# Altium PCB maisuijiqiren.PcbDoc (continued)
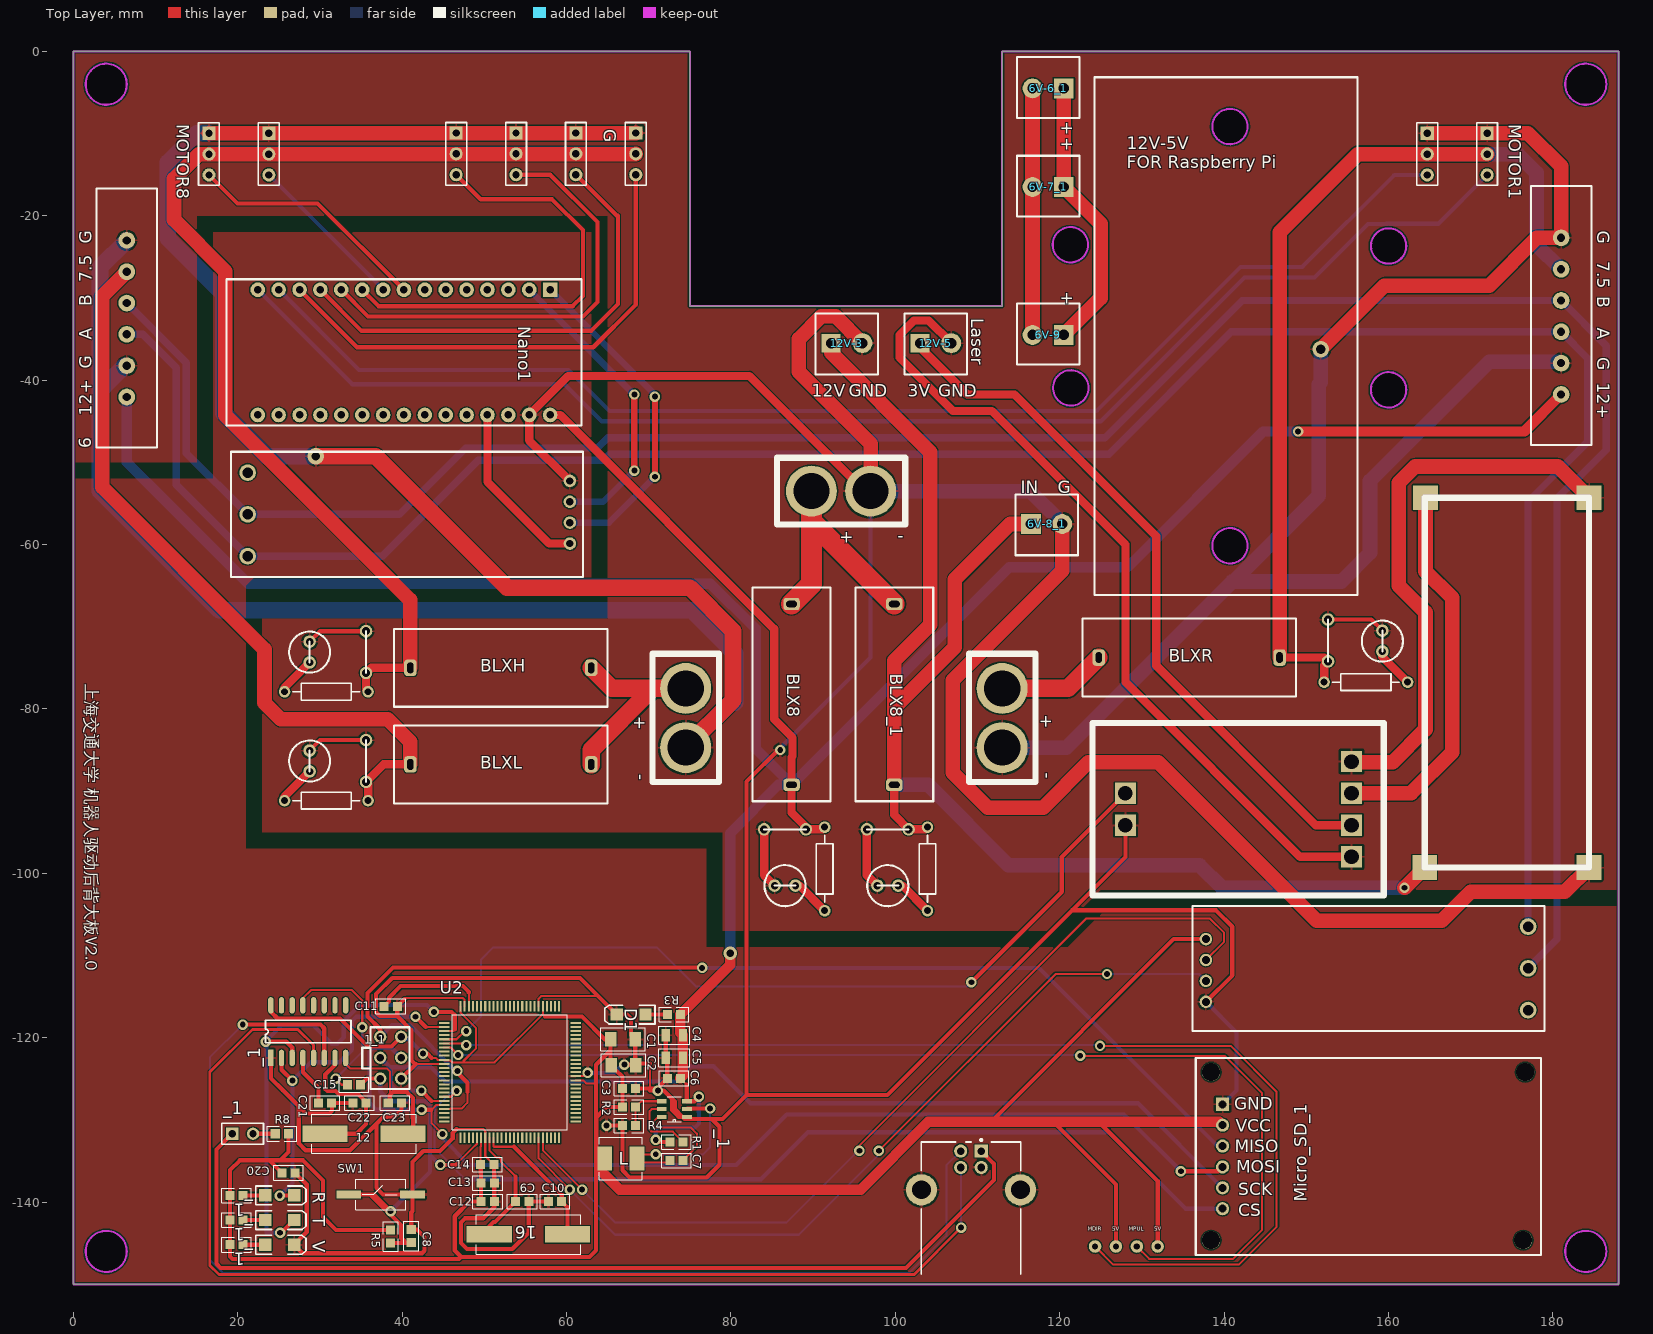
[diagram p0: Top Layer view]
## Nets (pads, with @x,y where several pads share a name; then routed paths per layer and width w, separated by ;. In a path a pad name is that pad's centre, name@x,y a point inside that pad or via, vN(x,y) a via of type N, cw(c..) or ccw(c..) an arc to the next point about the centre after c; other vN are vias at no path point) (continued)
  Bottom Layer w0.25: ?.3@107.95,-135.79 108,-135.84 v1(108,-143.1)
D-: ?.2@107.95,-133.79 _1.6@30.526,-122.457 | length 147.2
  Top Layer w0.508: v1(20.6,-118.4) 20.623,-118.377 30.052,-118.377 30.526,-118.851 _1.6@30.526,-122.457
  Bottom Layer w0.25: v1(20.6,-118.4) 16.6,-122.4 16.6,-147 18.2,-148.6 101.7,-148.6 106.2,-144.1 106.2,-135.54 ?.2@107.95,-133.79
DTR: _1.13 C15.1 | length 21.6
  Top Layer w0.254: _1.13 27.926,-115.199 28.925,-114.2 33.875,-114.2 35.15,-115.475 v1(35.15,-118.725) ; v1(31.9,-124.975) 32.65,-125.725 C15.1
  Bottom Layer w0.254: v1(31.9,-124.975) 35.15,-121.725 v1(35.15,-118.725)
GND: 1_1.4 6.2 6.6 6V-8_1.2 12V-3.2 12V-5.2 "-        +.1" ?.1@23.786,-9.96 ?.1@46.571,-9.929 ?.1@53.857,-9.929 ?.1@61.143,-9.929 ?.1@68.429,-9.929 ?.1@152.645,-69.126 ?.1@159.25,-70.48 ?.1@164.714,-9.96 ?.2@28.747,-71.814 ?.2@28.747,-85.064 ?.2@35.605,-70.544 ?.2@35.605,-83.794 ?.2@84.044,-94.645 ?.2@85.314,-101.503 ?.2@96.544,-94.645 ?.2@97.814,-101.503 ?.2@181,-37.93 ?.4@110.45,-135.79 ?.5@115.22,-138.5 ?.6@103.18,-138.5 ?.6@181,-22.69 ?.7 _1.1@24.026,-122.457 _1.1@74.635,-129.635 C1.2 C2.2 C3.2 C4.2 C5.2 C6.2 C8.1 C9.1 C10.1 C11.1 C12.2 C13.2 C14.2 C20.1 C21.1 C22.2 C23.2 D1.2 Micro_SD_1.6@139.812,-128.1 MOTOR1.1 MOTOR8.1 Nano1.29 pad.11@184.4,-54.3 pad.11@184.4,-99.3 pad.13@128,-94.133 pad.13@155.5,-86.4 pad.13@155.5,-98 R4.2 R.2 SW1.2 U2.11 U2.32 U2.62 U2.81 U2.99 | length 1470.4
  Top Layer w0.25: 40.299,-115.296 40.428,-115.167 47.392,-115.167 47.61,-115.385 U2.99 ; 41.57,-123.185 41.67,-123.185 U2.11 ; 46.631,-131.107 49.882,-131.107 50.11,-131.336 U2.32 50.11,-134.385 C14.2 ; U2.81 56.61,-115.26 56.96,-114.91 63.835,-114.91 ; U2.62 62.146,-124.685 v1(62.556,-124.275)
  Top Layer w0.254: C1.2@67.86,-119.685 C1.2 ; C2.2@68.36,-123.289 C2.2@68.41,-123.339 ; 70.16,-126.435 70.16,-126.185 70.16,-123.157 ; v1@70.86,-126.185 71.11,-126.435 v1@71.11,-126.085 ; C5.2 C5.2@72.26,-122.635 ; _1.1@74.635,-129.635 _1.1@74.701,-129.701
  Top Layer w0.5: 72.818,-128.796 73.657,-129.635 74.089,-129.635 _1.1@74.635,-129.635
  Top Layer w0.508: _1.1@24.026,-122.457 24.026,-124.939 25.472,-126.385 25.474,-126.385 27.42,-128.331 ; C20.1 28.4,-137.875 28.4,-143.645 R.2 27.9,-146.225 42.409,-146.225 42.719,-145.916 42.719,-144.239 41.815,-143.335 C8.1 41.11,-141.274 41.269,-141.115 SW1.2 SW1.2@41.246,-139.074 ; ?.2@28.747,-85.064 30.017,-83.794 ?.2@35.605,-83.794 ; ?.2@28.747,-71.814 30.017,-70.544 ?.2@35.605,-70.544 ; C22.2 C21.1 31.484,-128.009 31.484,-128.891 31.15,-129.225 28.314,-129.225 27.42,-128.331 ; 1_1.4 41.67,-123.185 ; C23.2 39.91,-128.796 39.478,-129.228 ; 40.299,-115.296 C11.1 39.41,-117.359 ; 41.57,-123.185 41.15,-122.765 41.15,-119.099 39.41,-117.359 ; 46.631,-131.107 46.148,-131.59 46.148,-132.25 44.599,-133.8 42.567,-133.8 41.246,-135.121 SW1.2@41.246,-139.074 ; C14.2 51.16,-136.518 51.21,-136.568 C13.2 C12.2 51.21,-140.625 49.86,-141.975 47.65,-141.975 47.15,-142.475 47.15,-144.975 47.9,-145.725 53.4,-145.725 55.41,-143.715 C9.1 56.587,-139.935 C10.1 ; 63.785,-114.86 63.835,-114.91 ; v1(64.86,-130.685) R4.2 66.81,-136.123 67.682,-136.995 77.065,-136.995 78.609,-135.451 78.609,-130.828 77.664,-129.883 ; v1(67.044,-123.279) 68.264,-123.279 C2.2@68.36,-123.183 ; C1.2@67.86,-119.685 67.86,-117.685 67.36,-117.185 D1.2 63.835,-114.91 ; C2.2@68.36,-123.289 C2.2@68.36,-123.183 ; C1.2 C2.2@68.36,-123.183 ; C3.2 70.16,-126.185 v1@70.86,-126.185 ; C2.2 C2.2@68.423,-123.183 ; 70.16,-126.435 71.11,-126.435 71.827,-126.435 72.818,-127.426 ; 70.16,-123.157 68.423,-123.157 C2.2@68.423,-123.183 ; v1@71.11,-126.085 C6.2 C5.2@72.26,-122.635 ; C5.2 C4.2 ; 72.818,-128.796 72.818,-127.426 ; _1.1@74.701,-129.701 _1.1@74.727,-129.727 ; v1(86,-85) 86,-84.75 81.9,-88.85 81.9,-126.975 ; pad.13@128,-94.133 128,-98 121.5,-104.5 ; ?.7@137.78,-115.63 141,-112.41 141,-106.5 139,-104.5 121.5,-104.5 ; ?.1@152.645,-69.126 157.896,-69.126 ?.1@159.25,-70.48 ; 27.42,-128.331 27.42,-131.407 27.428,-131.415 27.428,-132.864 28.257,-133.693 33.656,-133.693 36.877,-130.472 ; 36.877,-130.472 37.69,-129.66 ; 36.877,-130.472 36.877,-138.261 37.69,-139.074 SW1.2@41.246,-139.074 ; 37.69,-129.66 38.122,-129.228 39.478,-129.228 ; 37.69,-129.66 39.047,-129.66 39.478,-129.228 ; 39.41,-117.359 37.273,-117.359 36.854,-116.939 36.828,-116.939 36.828,-114.697 38.8,-112.725 61.65,-112.725 63.835,-114.91 ; C2.2@68.36,-123.183 C2.2@68.423,-123.183 ; 72.818,-127.426 73.16,-127.768 73.16,-128.706 74.089,-129.635 74.337,-129.883 77.664,-129.883 ; 77.664,-129.883 78.992,-129.883 81.9,-126.975 ; 81.9,-126.975 99.025,-126.975 121.5,-104.5
  Top Layer w1.016: ?.7@60.4,-52.259 55.46,-47.319 Nano1.29 60.2,-39.5 82.25,-39.5 96.25,-53.5 97,-53.5 ; ?.2@84.044,-94.645 84.044,-100.233 ?.2@85.314,-101.503 ; ?.2@96.544,-94.645 96.544,-100.233 ?.2@97.814,-101.503 ; 12V-5.2 104.06,-32.75 102.25,-32.75 100.5,-34.5 100.5,-37.25 107,-43.75 111.75,-43.75 128,-60 128,-76.75 149.25,-98 pad.13@155.5,-98
  Top Layer w1.778: MOTOR8.1 23.786,-9.96 68.398,-9.96 ?.1@68.429,-9.929 ; 12V-3.2 92.75,-32.25 91,-32.25 88.25,-35 88.25,-39 97,-47.75 97,-53.5 ; 6V-8_1.2 120.31,-63.19 107,-76.5 107,-87.75 111.25,-92 118,-92 123.5,-86.5 132,-86.5 151.25,-105.75 166.5,-105.75 170,-102.25 181.45,-102.25 pad.11@184.4,-99.3 ; v2(151.75,-36.25) 159.5,-28.5 172.25,-28.5 178.06,-22.69 181,-22.69 181,-14 176.96,-9.96 MOTOR1.1 ?.1@164.714,-9.96 ; pad.13@155.5,-86.4 155.6,-86.5 160.5,-86.5 164.5,-82.5 164.5,-68.25 161.25,-65 161.25,-52.5 163.25,-50.5 180.6,-50.5 pad.11@184.4,-54.3
  Top Layer w2.032: v3(29.5,-49.25) 36.75,-49.25 52.75,-65.25 75,-65.25 80.25,-70.5 80.25,-78.95 74.5,-84.7
  Bottom Layer w0.508: v1(62.556,-124.275) 65.833,-124.275 66.829,-123.279 v1(67.044,-123.279) ; v1(86,-85) 86,-84.75 97,-73.75 97,-53.5 ; ?.7@137.78,-115.63 141.5,-119.35 141.5,-126.412 Micro_SD_1.6@139.812,-128.1
  Bottom Layer w1.778: MOTOR8.1 23.786,-9.96 68.398,-9.96 ?.1@68.429,-9.929 ; 97,-53.5 116.386,-53.5 120.31,-57.424 6V-8_1.2 ; 113,-84.7 120.8,-84.7 141,-64.5 141.083,-64.5 ; v2(151.75,-36.25) 151.75,-40.25 151.5,-40.5 151.5,-54.083 141.083,-64.5 ; ?.2@181,-37.93 180.82,-37.75 172.25,-37.75 157.75,-52.25 157.75,-61 154.25,-64.5 141.083,-64.5
  Bottom Layer w2.032: 6.2 6.26,-38.24 3.25,-41.25 ; 6.6 3.25,-26.25 3.25,-41.25 ; MOTOR8.1 15.04,-9.96 11.5,-13.5 11.5,-22.75 18.25,-29.5 18.25,-44 23.5,-49.25 v3(29.5,-49.25) ; 74.5,-84.7 79.95,-79.25 80.5,-79.25 80.5,-73.25 75.25,-68 17.75,-68 3.25,-53.5 3.25,-41.25
  other v1: 71.11,-126.435
Gpi: 6V-6_1.2 6V-7_1.2 6V-9.2 | length 30
  Top Layer w1.778: 6V-9.2 6V-7_1.2 6V-6_1.2
lazer: 12V-5.1 pad.13@155.5,-94.133 | length 86.3
  Top Layer w1.016: 12V-5.1 103,-36 108.75,-41.75 114.5,-41.75 131.75,-59 131.75,-74.75 151.133,-94.133 pad.13@155.5,-94.133
LED1: 
LED2: 
LED3: 
LED4: 
LED5: 
LED6: 
LED7: 
LED8: ?.1@87.854,-101.503 ?.1@100.354,-101.503 ?.2@91.41,-104.551 ?.2@103.91,-104.551 | length 9.6
  Top Layer w1.016: ?.1@87.854,-101.503 88.362,-101.503 ?.2@91.41,-104.551 ; ?.1@100.354,-101.503 100.862,-101.503 ?.2@103.91,-104.551
LED9: ?.1@28.747,-74.354 ?.2@25.699,-77.91 | length 4.8
  Top Layer w1.016: ?.2@25.699,-77.91 25.699,-77.402 ?.1@28.747,-74.354
LED10: ?.1@28.747,-87.604 ?.2@25.699,-91.16 | length 4.8
  Top Layer w1.016: ?.2@25.699,-91.16 25.699,-90.652 ?.1@28.747,-87.604
LED11: ?.2@159.25,-73.02 ?.2@162.33,-76.75 | length 5
  Top Layer w1.016: ?.2@159.25,-73.02 159.25,-73.67 ?.2@162.33,-76.75
LED12: 
LED+: 
LEDO: pad.13@128,-90.267 U2.5 | length 105.7
  Top Layer w0.25: U2.5 46.615,-120.185 47.6,-119.2 v1(47.8,-119.2)
  Top Layer w0.508: v1(109.25,-113.25) 120.25,-102.25 120.25,-98.017 pad.13@128,-90.267
  Bottom Layer w0.25: v1(47.8,-119.2) 49.6,-117.4 49.6,-110.5 51.1,-109 71,-109 75.75,-113.75 108.75,-113.75 v1(109.25,-113.25)
M1: 
M1U: MOTOR8.3 Nano1.8 | length 29.5
  Top Layer w0.508: MOTOR8.3 19.96,-18.5 29.72,-18.5 Nano1.8
M2: 
M2U: ?.3@23.786,-15.04 Nano1.9 | length 19.7
  Bottom Layer w0.508: ?.3@23.786,-15.04 37.68,-28.934 Nano1.9
M3: 
M3U: ?.3@46.571,-15.009 Nano1.10 | length 54.4
  Top Layer w0.508: Nano1.10 37.14,-31 60.75,-31 62,-29.75 62,-21.75 58.25,-18 49.562,-18 ?.3@46.571,-15.009
M4: 
M4U: ?.3@53.857,-15.009 Nano1.11 | length 55.2
  Top Layer w0.508: Nano1.11 35.85,-32.25 62,-32.25 63.75,-30.5 63.75,-20.75 58.009,-15.009 ?.3@53.857,-15.009
M5: 
M5U: ?.3@61.143,-15.009 Nano1.12 | length 57.5
  Top Layer w0.508: Nano1.12 35.06,-34 63,-34 66.25,-30.75 66.25,-20 66.134,-20 ?.3@61.143,-15.009
M6: 
M6U: ?.3@68.429,-15.009 Nano1.13 | length 61.8
  Top Layer w0.508: Nano1.13 34.52,-36 63.25,-36 68.429,-30.821 ?.3@68.429,-15.009
M7: 
M7U: ?.3@164.714,-15.04 Nano1.14 | length 157.7
  Bottom Layer w0.508: Nano1.14 25,-29 34.75,-38.75 60.25,-38.75 65.25,-43.75 124.5,-43.75 142,-26.25 149.5,-26.25 160.71,-15.04 ?.3@164.714,-15.04
M8: 
M8U: MOTOR1.3 Nano1.15 | length 168.6
  Bottom Layer w0.508: Nano1.15 33.94,-40.5 59.75,-40.5 64.25,-45 125,-45 142.5,-27.5 151,-27.5 157.5,-21 159.739,-21 159.769,-20.971 166.069,-20.971 MOTOR1.3
MDIR2: pad.14@124.3,-145.4 U2.6 | length 145.1
  Top Layer w0.249: U2.6 47.585,-120.685 v1(47.8,-120.9) ; pad.14@124.3,-145.4 126.5,-147.6 141.8,-147.6 146.4,-143 146.4,-126.6 140.8,-121 v1(124.9,-121)
  Bottom Layer w0.254: v1(47.8,-120.9) 124.8,-120.9 v1(124.9,-121)
MISO: 1_1.1 Micro_SD_1.4 U2.22 | length 140
  Top Layer w0.25: U2.22 45.852,-128.685 45.924,-128.613 47.232,-128.613 47.932,-127.913 47.932,-126.605
  Top Layer w0.508: 1_1.1 37.34,-118.975 35.802,-117.437 35.802,-114.573 38.9,-111.475 76.475,-111.475 v1(76.5,-111.5) ; v1(46.724,-124.041) 46.724,-124.267 47.932,-125.475 47.932,-126.605
  Bottom Layer w0.508: 1_1.1 38.76,-118.475 40.932,-118.475 46.498,-124.041 v1(46.724,-124.041) ; v1(76.5,-111.5) 117.5,-111.5 139.18,-133.18 Micro_SD_1.4
MOSI: 1_1.5 Micro_SD_1.3 U2.21 | length 126.3
  Top Layer w0.25: v1(44.9,-131.725) 44.255,-131.08 43.583,-130.408 43.583,-128.771 44.168,-128.185 U2.21
  Top Layer w0.508: v1(42.363,-128.771) 43.583,-128.771 ; v1(134.75,-136.25) 139.282,-136.25 Micro_SD_1.3
  Bottom Layer w0.508: 1_1.5 38.67,-121.225 36.523,-121.225 36.013,-121.735 36.013,-127.907 36.877,-128.771 v1(42.363,-128.771) ; v1(44.9,-131.725) 44.9,-132.225 48.15,-135.475 80.65,-135.475 86.792,-129.333 127.833,-129.333 v1(134.75,-136.25)
MPUL2: pad.14@129.38,-145.4 U2.7 | length 135.8
  Top Layer w0.249: U2.7 45.885,-121.185 v1(46.8,-122.1) ; v1(122.5,-122.2) 140.1,-122.2 144.6,-126.7 144.6,-143.4 141.1,-146.9 130.88,-146.9 pad.14@129.38,-145.4
  Bottom Layer w0.254: v1(46.8,-122.1) 122.4,-122.1 v1(122.5,-122.2)
NetC7_1: _1.6@71.585,-129.635 C7.1 | length 11.3
  Top Layer w0.254: _1.6@71.585,-129.635 71.16,-129.635 70.61,-130.185 70.61,-130.685 70.836,-130.911 75.086,-130.911 75.86,-131.685 75.86,-133.235 C7.1
NetC7_2: _1.2@74.635,-128.685 C7.2 L.1 | length 21.3
  Top Layer w0.254: v1(70.86,-134.185) 69.06,-134.185 L.1 69.06,-135.185 72.31,-135.185 C7.2
  Top Layer w0.508: _1.2@74.635,-128.685 74.708,-128.613 v1(77.458,-128.613)
  Bottom Layer w0.254: v1(70.86,-134.185) 76.61,-134.185 77.458,-133.338 v1(77.458,-128.613)
NetC9_2: 16.1 C9.2 U2.33 | length 14.7
  Top Layer w0.25: U2.33 50.61,-133.685 51.507,-134.582 51.836,-134.582 52.013,-134.76 52.013,-135.088 53.81,-136.885
  Top Layer w0.508: 16.1 50.61,-142.927 51.101,-142.436 51.309,-142.436 C9.2 53.81,-136.885
NetC10_2: 16.2 C10.2 U2.34 | length 16.9
  Top Layer w0.25: U2.34 51.11,-133.185 51.193,-133.268 53.592,-133.268
  Top Layer w0.508: 53.592,-133.268 59.41,-139.086 C10.2 60.11,-140.635 16.2
NetC11_2: C11.2 U2.98 | length 13.6
  Top Layer w0.25: U2.98 48.11,-114.515
  Top Layer w0.508: C11.2 38.41,-115.585 38.41,-115.134 39.819,-113.725 47.4,-113.725 48.11,-114.435 48.11,-114.515
NetC21_2: _1.4@27.926,-122.457 C21.2 | length 6.3
  Top Layer w0.508: _1.4@27.926,-122.457 27.926,-124.203 29.81,-126.087 C21.2
NetD1_2: D1.1 R3.2 | length 2.7
  Top Layer w0.508: D1.1 R3.2
NetD3_1: _1.2@20.66,-145.185 R.1 | length 2.7
  Top Layer w0.508: _1.2@20.66,-145.185 R.1
NetD4_1: _1.2@20.66,-142.185 T.1 | length 2.7
  Top Layer w0.508: _1.2@20.66,-142.185 T.1
NetD5_1: _1.2@20.66,-139.185 V.1 | length 2.7
  Top Layer w0.508: _1.2@20.66,-139.185 V.1
NetJ5_1: ?.1@110.45,-133.79 _1.1@19.32,-131.685 | length 120.6
  Top Layer w0.508: _1.1@19.32,-131.685 17.4,-133.605 17.4,-147.5 17.9,-148 101.3,-148 112,-137.3 112,-135.34 ?.1@110.45,-133.79
  Bottom Layer w0.508: _1.1@18.91,-131.275 _1.1@19.32,-131.685
NetPIN_2: _1.2@21.86,-131.685 R8.1 | length 2.7
  Top Layer w0.508: _1.2@21.86,-131.685 R8.1
NetR1_1: _1.5@71.585,-128.685 R1.1 | length 8.5
  Top Layer w0.254: _1.5@71.585,-128.685 70.36,-128.685 70.102,-128.943 70.102,-131.177 70.344,-131.419 72.933,-131.419 74.16,-132.646 R1.1
NetR2_2: _1.4@71.585,-127.735 R2.2 R4.1 | length 5.7
  Top Layer w0.254: R4.1 R2.2 69.11,-127.735 _1.4@71.585,-127.735
NewNet1: 6.3 ?.1@21.2,-61.409 ?.1@176.98,-106.48 ?.3@181,-34.12 | length 282
  Bottom Layer w0.889: 6.3 8.43,-34.43 12.5,-38.5 12.5,-52.709 21.2,-61.409 37.591,-61.409 49.25,-49.75 64.5,-49.75 65.25,-49 126,-49 140.88,-34.12 181,-34.12 184.25,-37.37 184.25,-47.5 176.98,-54.77 ?.1@176.98,-106.48
NewNet2: 6.4 ?.2@21.2,-56.329 ?.2@176.98,-111.56 ?.4@181,-30.31 | length 289.9
  Bottom Layer w0.889: 6.4 13.75,-37.87 13.75,-48.879 21.2,-56.329 39.671,-56.329 47.75,-48.25 63.75,-48.25 65,-47 125.5,-47 142.19,-30.31 181,-30.31 186.5,-35.81 186.5,-48.5 182.797,-52.203 182.653,-52.203 180.5,-54.356 180.5,-108.04 ?.2@176.98,-111.56
NewNet3: 
OSC1: 12.1 _1.8 C23.1 | length 19.4
  Top Layer w0.254: _1.8 33.126,-123.201 33.65,-123.725 38.15,-123.725 38.513,-124.088 38.513,-126.967
  Top Layer w0.508: C23.1 38.497,-127.935 38.497,-126.984 38.513,-126.967 38.899,-126.581 40.555,-126.581 41.322,-127.348 41.322,-128.303 41.297,-128.329 41.297,-129.761 41.347,-129.812 41.347,-131.685 12.1
OSC2: 12.2 _1.7 C22.1 | length 18.1
  Top Layer w0.508: 12.2 34.439,-131.685 35.61,-130.514 C22.1 35.61,-127.824 34.621,-126.835 32.26,-126.835 31.9,-126.475 30.9,-126.475 30.65,-126.225 30.65,-124.475 31.826,-123.299 _1.7
PB0: Micro_SD_1.1 U2.19 | length 113.8
  Top Layer w0.25: U2.19 45.94,-127.185 v1(46.65,-126.475) ; v1@46.65,-126.395 v1@46.65,-125.975
  Bottom Layer w0.25: v1@46.15,-126.475 43.987,-128.638 43.987,-129.443 43.962,-129.468 43.962,-133.461 45.588,-135.087 45.588,-135.163 47.65,-137.225
  Bottom Layer w0.508: 47.65,-137.225 83.65,-137.225 89.375,-131.5 126,-131.5 135.3,-140.8 Micro_SD_1.1
RESET: 1_1.3 C8.2 C15.2 R5.1 SW1.1 U2.30 | length 50
  Top Layer w0.25: 46.745,-135.235 48.842,-133.138 48.861,-133.138 49.11,-132.888 U2.30
  Top Layer w0.508: SW1.1 36.106,-139.074 ; C15.2 35.7,-124.975 1_1.3 ; v1(38.604,-141.115) 36.563,-139.074 36.106,-139.074 ; R5.1 39.823,-144.985 39.873,-144.935 40.443,-144.935 ; C8.2 40.443,-144.935 ; v1(44.65,-135.475) 46.505,-135.475 46.745,-135.235 ; 36.106,-139.074 39.9,-142.868 39.9,-144.392 40.443,-144.935
  Bottom Layer w0.508: 1_1.3 37.34,-126.567 38.503,-127.729 41.896,-127.729 41.921,-127.704 42.805,-127.704 43.43,-128.329 43.43,-129.212 43.405,-129.238 43.405,-134.282 ; v1(38.604,-141.115) 43.405,-136.314 43.405,-134.282 ; v1(44.65,-135.475) 44.597,-135.475 43.405,-134.282
RTSg: _1.14
RX: 
RX1: 
RXD0: _1.2@25.326,-122.457 U2.2 V.2 | length 43.9
  Top Layer w0.25: 42.87,-118.685 U2.2
  Top Layer w0.508: v1(25.117,-139.21) 26.835,-139.21 V.2 ; _1.2@25.326,-122.457 25.326,-123.901 v1(26.65,-125.225) ; v1(41.627,-117.442) 42.87,-118.685
  Bottom Layer w0.508: v1(25.117,-139.21) 26.65,-137.677 v1(26.65,-125.225) 28.9,-122.975 32.4,-122.975 33.9,-121.475 33.9,-117.975 34.433,-117.442 v1(41.627,-117.442)
RXD1: ?.6@137.78,-113.09 U2.45 | length 101.3
  Top Layer w0.25: U2.45 56.61,-134.685 v1(60.4,-138.475)
  Top Layer w0.254: v1(98,-133.75) 119.5,-112.25 v1(125.75,-112.25)
  Bottom Layer w0.25: v1(60.4,-138.475) 65.9,-143.975 88.25,-143.975 98,-134.225 v1(98,-133.75) ; v1(125.75,-112.25) 136.94,-112.25 ?.6@137.78,-113.09
RXU: ?.6@60.4,-54.799 Nano1.2 | length 36.7
  Top Layer w0.762: v1(68.25,-51) v1(68.25,-41.75)
  Bottom Layer w0.508: v1@68.21,-41.75 v1(68.25,-41.75)
  Bottom Layer w0.762: Nano1.2 v1@68.21,-41.75 ; ?.6@60.4,-54.799 64.451,-54.799 v1(68.25,-51)
TX: 
TX1: 
TXD0: _1.3@26.626,-122.457 T.2 U2.3 | length 64.1
  Top Layer w0.25: U2.3 46.224,-119.185 46.4,-119.009
  Top Layer w0.508: v1(23.4,-120.475) 25.9,-120.475 26.626,-121.201 _1.3@26.626,-122.457 ; v1@25.15,-144.081 v1@25.15,-143.895 ; v1(25.15,-143.725) v1@25.15,-143.895 ; T.2 v1@25.15,-143.895 ; v1(43.862,-116.858) 46.021,-116.858 46.4,-117.237 46.4,-119.009
  Bottom Layer w0.508: v1(23.4,-120.475) v1@23.517,-120.358 ; v1(25.15,-143.725) 23.517,-143.725 v1@23.517,-120.358 ; v1(43.862,-116.858) 43.024,-116.02 34.855,-116.02 32.9,-117.975 32.9,-119.975 32.15,-120.725 31.4,-120.725 29.15,-118.475 25.4,-118.475 v1@23.517,-120.358
TXD1: ?.5@137.78,-110.55 U2.46 | length 108.7
  Top Layer w0.25: U2.46 57.11,-133.685 v1(61.9,-138.475)
  Top Layer w0.254: v1(95.625,-133.75) 95.625,-133.125 123.25,-105.5 138.25,-105.5 140,-107.25 140,-108.33 ?.5@137.78,-110.55
  Bottom Layer w0.25: v1(61.9,-138.475) 65.9,-142.475 86.775,-142.475 95.5,-133.75 v1(95.625,-133.75)
TXU: ?.5@60.4,-57.339 Nano1.1 | length 40.7
  Top Layer w0.762: v1(70.75,-51.75) v1(70.75,-42)
  Bottom Layer w0.762: Nano1.1 70.75,-41.75 v1(70.75,-42) ; ?.5@60.4,-57.339 65.161,-57.339 v1(70.75,-51.75)
V5: 
V5M: 
V5U: ?.4@60.4,-59.879 Nano1.27 | length 21.3
  Top Layer w1.016: Nano1.27 50.38,-52.37 57.889,-59.879 ?.4@60.4,-59.879
V6: 
V12: 6.1 6V-8_1.1 12V-3.1 "-        +.2"@89.8,-53.5 ?.1@89.124,-94.645 ?.1@91.41,-94.391 ?.1@101.624,-94.645 ?.1@103.91,-94.391 ?.1@181,-41.74 _1.3@74.635,-127.735 BLX8.1 BLX8.2 BLX8_1.1 BLX8_1.2 C4.1 C5.1 C6.1 Nano1.30 pad.11@164.4,-99.3 R1.2 R3.1 | length 552.2
  Top Layer w0.254: v1(70.86,-132.435) v1@71.11,-132.685 ; C6.1 74.635,-125.71
  Top Layer w0.508: v1@71.11,-132.685 R1.2 ; 74.635,-125.71 74.635,-127.735 75.56,-127.735 v1(76.11,-127.185)
  Top Layer w1.016: Nano1.30 59.24,-44.24 85.25,-70.25 85.25,-81.25 87.5,-83.5 87.5,-85.75 87.375,-85.875 BLX8.2 87.375,-92.625 89.124,-94.374 89.124,-94.645 91.156,-94.645 ?.1@91.41,-94.391 ; BLX8_1.2 99.875,-92.896 101.624,-94.645 103.656,-94.645 ?.1@103.91,-94.391
  Top Layer w1.27: C6.1 74.16,-124.635 C5.1 C4.1 73.86,-119.385 R3.1 79.9,-111.146 v4(79.9,-109.725) ; v1(149,-46.25) 176.49,-46.25 ?.1@181,-41.74
  Top Layer w1.778: 12V-3.1 92.19,-36.69 104.25,-48.75 104.25,-69.75 99.875,-74.125 99.875,-79.875 ; BLX8_1.2 99.875,-79.875 ; 6V-8_1.1 114,-57.5 107.25,-64.25 107.25,-72.5 99.875,-79.875 ; v1(161.95,-101.75) pad.11@164.4,-99.3
  Top Layer w2.54: BLX8.1 89.8,-64.812 89.8,-57.162 ; 89.8,-53.5 89.8,-57.162 ; BLX8_1.1 89.8,-57.162
  Bottom Layer w0.254: 76.094,-129.106 76.11,-129.122 ; 76.094,-128.264 76.11,-128.248
  Bottom Layer w0.508: v1(70.86,-132.435) 70.86,-131.185 71.11,-130.935 75.61,-130.935 76.11,-130.435 76.11,-129.122 ; 76.094,-129.106 76.094,-128.264 ; 76.11,-128.248 v1(76.11,-127.185)
  Bottom Layer w1.27: 6.1 6.5,-50 21.25,-64.75 77.5,-64.75 83,-70.25 83,-84.862 BLX8.2 ; v4(79.9,-109.725) 79.9,-95.1 85.763,-89.237 BLX8.2 ; v1(149,-46.25) 144.75,-46.25 128.25,-62.75 113.862,-62.75 BLX8.2
  Bottom Layer w1.778: BLX8_1.2 103.987,-89.237 113.75,-99 137,-99 139.75,-101.75 v1(161.95,-101.75)
V12H: 
V12M: 
VCC_5V: 1_1.6 ?.4@137.78,-108.01 _1.1@19.06,-139.185 _1.1@19.06,-142.185 _1.1@19.06,-145.185 _1.16 C1.1 C2.1 C3.1 C12.1 C13.1 C14.1 C20.2 L.2 Micro_SD_1.5 pad.14@126.84,-145.4 pad.14@131.92,-145.4 R2.1 R5.2 R8.2 U2.10 U2.31 U2.61 U2.80 U2.100 | length 360
  Top Layer w0.25: 43.583,-122.446 44.08,-122.446 44.319,-122.685 U2.10 45.208,-122.783 45.875,-122.783 46.105,-123.012 51.234,-123.012 51.347,-122.9 57.11,-117.152 ; U2.100 47.11,-116.965 49,-118.855 49,-121.3 47.465,-122.835 ; C14.1 49.56,-133.232 49.61,-133.182 U2.31 ; U2.80 57.11,-117.152 ; 57.395,-117.437 57.11,-117.152 ; U2.61 62.038,-125.185 62.397,-125.545 63.598,-125.545
  Top Layer w0.254: C2.1@65.36,-123.289 C2.1
  Top Layer w0.508: _1.16 24.026,-116.851 24.866,-117.691 31.175,-117.691 31.208,-117.658 32.444,-117.658 35.863,-121.077 38.698,-121.077 1_1.6 ; C20.2 23.9,-134.975 23.9,-134.917 ; R8.2 26.16,-133.907 25.15,-134.917 ; R5.2 31.969,-143.385 30.384,-141.801 30.384,-137.365 27.936,-134.917 25.15,-134.917 ; v1(42.541,-121.938) 43.075,-121.938 43.583,-122.446 ; C14.1 49.56,-136.518 49.61,-136.568 C13.1 C12.1 48.19,-139.935 46.4,-141.725 46.4,-145.891 47.186,-146.678 ; 57.395,-117.437 61.865,-117.437 64.614,-120.185 C1.1 65.36,-121.521 ; 63.61,-133.635 63.61,-129.685 64.86,-128.435 R2.1 C3.1 66.81,-124.739 66.417,-124.346 66.387,-124.346 65.423,-123.382 C2.1 ; L.2@63.975,-135.975 63.598,-135.975 ; C2.1@65.36,-123.289 65.36,-121.521 ; 111.625,-130.25 133.865,-108.01 ?.4@137.78,-108.01 ; 119.25,-130.25 126.84,-137.84 pad.14@126.84,-145.4 ; 124.75,-130.25 131.92,-137.42 pad.14@131.92,-145.4 ; Micro_SD_1.5@139.422,-130.25 Micro_SD_1.5 ; 23.9,-134.917 25.15,-134.917 ; 23.9,-134.917 20.254,-134.917 19.06,-136.111 19.06,-139.185 19.06,-142.185 19.06,-145.185 19.06,-146.635 19.36,-146.935 46.928,-146.935 47.186,-146.678 ; 47.186,-146.678 62.785,-146.678 63.598,-145.865 63.598,-135.975 ; 63.598,-135.975 63.598,-125.545 63.598,-123.284 65.36,-121.521
  Top Layer w1.27: L.2@63.975,-135.975 66.475,-138.475 95.775,-138.475 104,-130.25 111.625,-130.25 119.25,-130.25 124.75,-130.25 Micro_SD_1.5@139.422,-130.25
  Bottom Layer w0.508: 1_1.6 39.88,-120.135 40.738,-120.135 v1(42.541,-121.938)
Vpi: 6V-6_1.1 6V-7_1.1 6V-9.1 | length 33.7
  Top Layer w1.778: 6V-9.1 125,-30 125,-21 6V-7_1.1 6V-6_1.1
pads on no net: ?.3@21.2,-51.249 ?.3@176.98,-116.64 _1.10 _1.11 _1.12 _1.15 Micro_SD_1.6@138.415,-124.188 Micro_SD_1.6@138.415,-144.635 Micro_SD_1.6@176.388,-144.635 Micro_SD_1.6@176.642,-124.188 Nano1.3 Nano1.4 Nano1.5 Nano1.6 Nano1.7 Nano1.16 Nano1.17 Nano1.18 Nano1.19 Nano1.20 Nano1.21 Nano1.22 Nano1.23 Nano1.24 Nano1.25 Nano1.26 Nano1.28 U2.1 U2.4 U2.8 U2.9 U2.12 U2.13 U2.14 U2.15 U2.16 U2.17 U2.18 U2.23 U2.24 U2.25 U2.26 U2.27 U2.28 U2.29 U2.35 U2.36 U2.37 U2.38 U2.39 U2.40 U2.41 U2.42 U2.43 U2.44 U2.47 U2.48 U2.49 U2.50 U2.51 U2.52 U2.53 U2.54 U2.55 U2.56 U2.57 U2.58 U2.59 U2.60 U2.63 U2.64 U2.65 U2.66 U2.67 U2.68 U2.69 U2.70 U2.71 U2.72 U2.73 U2.74 U2.75 U2.76 U2.77 U2.78 U2.79 U2.82 U2.83 U2.84 U2.85 U2.86 U2.87 U2.88 U2.89 U2.90 U2.91 U2.92 U2.93 U2.94 U2.95 U2.96 U2.97

## Polygon pours and split planes (outlines as drawn)
GND on Bottom Layer "GND-N" (solid, pour order 4): 17,-22 63,-22 63,-65 21,-65 21,-97 77,-97 77,-109 121,-109 126,-104 188,-104 188,-150 0,-150 0,-52 17,-52
GND on Bottom Layer "GND-N" (solid, pour order 0): 0,-50 15,-50 15,-20 65,-20 65,-67 23,-67 23,-95 23.1,-95.1 79.9,-95.1 79.9,-106.9 80,-107 120,-107 125,-102 188,-102 188,0 113,0 113,-31 75,-31 75,0 0,0
GND on Top Layer "GND-N" (solid, pour order 8): 63,-22 63,-64 22,-64 21,-65 21,-97 77,-97 77,-109 121,-109 126,-104 188,-104 188,-150 0,-150 0,-52 17,-52 17,-22
GND on Top Layer "GND-N" (solid, pour order 2): 15,-20 15,-50 0,-50 0,0 75,0 75,-31 113,-31 113,0 188,0 188,-102 125,-102 120,-107 79,-107 79,-95 23,-95 23,-69 65,-69 65,-20

## Keep-outs
Keep-Out Layer:
  circle w0.254: c184,-4 r2.5
  circle w0.254: c4,-4 r2.5
  circle w0.254: c4,-146 r2.5
  circle w0.254: c184,-146 r2.5
  circle w0.254: c140.712,-9.15 r2.15
  circle w0.254: c140.712,-60.15 r2.15
  circle w0.254: c160.014,-23.677 r2.15
  circle w0.254: c160.014,-41.177 r2.15
  circle w0.254: c121.352,-40.946 r2.15
  circle w0.254: c121.302,-23.527 r2.15
  lines w0.254: 0,-150 0,0 75,0 75,-31 113,-31 113,0 188,0 188,-140 188,-150 0,-150

## Silkscreen, mask and mechanical layers (free items; w line width, h text height)
Top Overlay:
  lines w0.254: 36.15,-123.725 35.15,-123.725 35.15,-121.225 36.15,-121.225 ; 36.15,-126.225 40.9,-126.225 40.9,-118.725 36.4,-118.725 36.15,-118.725 36.15,-126.225
  lines w0.762: 124,-102.7 159.433,-102.7 ; 124,-102.528 124,-81.7 159.433,-81.7 159.433,-102.528 ; 164.4,-99.3 184.4,-99.3 184.4,-54.3 164.4,-54.3 164.4,-99.3
  text "G" at 64.5,-9.5 h1.52 r270
  text "+" at 120,-10 h1.52
  text "+" at 120,-12 h1.52
  text "G" at 185.375,-21.798 h1.52 r270
  text "G" at 2.225,-23.408 h1.52 r90
  text "7.5" at 185.375,-25.523 h1.52 r270
  text "7.5" at 2.225,-28.083 h1.52 r90
  text "B" at 185.375,-29.773 h1.52 r270
  text "+" at 120,-30.7 h1.52
  text "B" at 2.225,-30.983 h1.52 r90
  text "Laser" at 109.25,-32.5 h1.52 r270
  text "A" at 185.375,-33.598 h1.52 r270
  text "A" at 2.225,-35.083 h1.52 r90
  text "G" at 185.375,-37.223 h1.52 r270
  text "G" at 2.225,-38.633 h1.52 r90
  text "12+" at 185.375,-40.298 h1.52 r270
  text "12V" at 89.821,-42 h1.52
  text "GND" at 94.321,-42 h1.52
  text "3V" at 101.5,-42 h1.52
  text "GND" at 105.25,-42 h1.52
  text "12+" at 2.225,-44.308 h1.52 r90
  text "IN" at 115.25,-53.75 h1.52
  text "G" at 119.75,-53.75 h1.52
  text "上海交通大学 机器人驱动后背大板V2.0" at 1,-77 h2.54 r270
  text "MDIR" at 123.4,-143.5 h0.5
  text "5V" at 126.4,-143.5 h0.5
  text "MPUL" at 128.4,-143.5 h0.5
  text "5V" at 131.5,-143.5 h0.5

## Text inside footprints (layer, text, board x,y; h text height)
1_1: Mechanical 9 "3" at 37.34,-124.975 h0.64 r270; Mechanical 9 "6" at 39.88,-119.895 h0.64 r270; Mechanical 9 "5" at 39.88,-122.435 h0.64 r270; Mechanical 9 "1" at 37.34,-119.895 h0.64 r270; Mechanical 9 "2" at 37.34,-122.435 h0.64 r270; Mechanical 9 "4" at 39.88,-124.975 h0.64 r270
Micro_SD_1: Top Overlay "CS" at 141.745,-141.74 h1.52; Top Overlay "SCK" at 141.695,-139.14 h1.52; Top Overlay "MOSI" at 141.495,-136.415 h1.52; Top Overlay "MISO" at 141.32,-133.94 h1.52; Top Overlay "VCC" at 141.395,-131.44 h1.52; Top Overlay "GND" at 141.22,-128.79 h1.52
?: Top Overlay "12V-5V / FOR Raspberry Pi" at 128.149,-14.207 h1.52
?: Mechanical 1 "PCB Edge" at 103.549,-148.475 h0.25